# KiCad board TRS80_Model_I_Jap20_E1.kicad_pcb (continued)
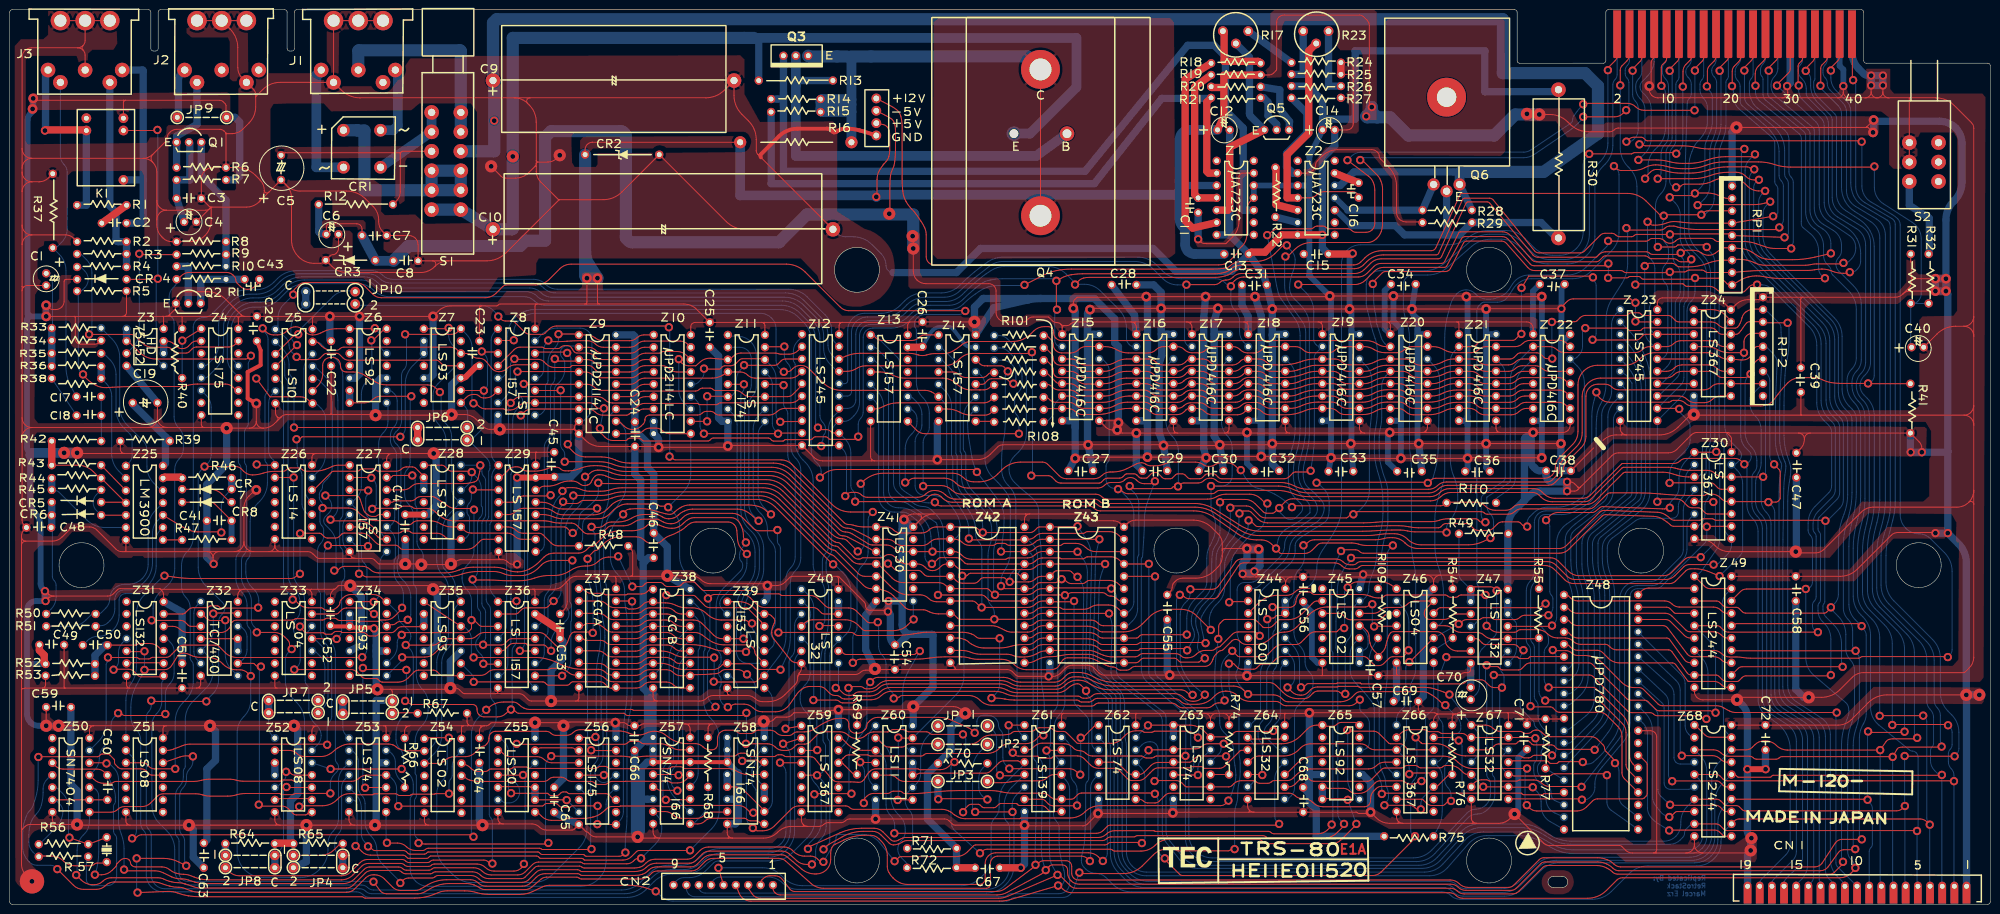
[diagram p0: board, top side]
## Routing (per net, layer and track width the routed paths; a pad name or vN(x,y) marks a point on that pad's centre or on a via; arc(x,y) is an arc through that point)
+5V: length 3094.8
  Top w0.2: 108.02,123.46 100.76,123.46 arc(100.6,123.43) 100.45,123.34 100.26,123.15 arc(100.19,123.1) 100.11,123.08 96.95,123.08 ; 108.02,123.46 108.38,123.46 ; 108.02,123.46 arc(108.09,123.42) 108.08,123.34 ; v3(13.84,92.86) 13.9,92.79 arc(13.97,92.75) 14.06,92.73 22.88,92.73 ; 35.21,120.92 33.02,120.92 ; 35.21,120.92 35.39,120.92 ; 35.21,120.92 arc(35.3,120.91) 35.37,120.86 ; 33.02,120.92 32,120.92 ; 33.02,120.92 arc(32.82,121.05) 32.87,121.28 ; 31.61,36.72 32.14,36.72 ; 31.61,36.72 17.25,36.72 ; 31.61,36.72 arc(31.71,36.65) 31.68,36.53 ; 32.14,36.72 v3(41.15,36.72) v3(58.42,36.72) 62.29,36.72 ; 32.14,36.72 arc(31.9,36.67) 31.68,36.53 ; C25.1 154.54,119.69 ; C25.1 141.13,122.39 arc(139.94,123.18) 138.54,123.46 121.21,123.46 ; C25.1 140.88,119.69 arc(140.52,119.62) 140.22,119.42 arc(140.02,119.12) 139.95,118.76 Z10.18 ; 154.54,119.69 155.08,119.69 ; 154.54,119.69 arc(154.79,119.64) 155,119.5 ; 66.74,64.79 66.61,64.79 ; 66.74,64.79 arc(66.68,64.78) 66.63,64.74 ; 66.74,64.79 arc(66.8,64.8) 66.84,64.83 67.5,65.49 arc(67.57,65.53) 67.65,65.55 v3(69.97,65.55) 85.69,65.55 arc(86.19,65.45) 86.61,65.17 v3(86.99,64.79) 107.51,64.79 ; 66.61,64.79 61.92,64.79 ; 66.61,64.79 arc(66.63,64.77) 66.63,64.74 ; 170.31,64.79 170.31,67.02 arc(170.27,67.19) 170.18,67.33 170.14,67.37 ; 322.23,85.84 321.59,86.48 arc(321.14,86.78) 320.61,86.89 v2(320.04,86.89) ; 322.23,85.84 arc(322.51,85.72) 322.8,85.84 ; 322.23,85.84 arc(322.35,85.55) 322.23,85.27 ; 7.89,63.89 7.41,64.36 arc(7.36,64.4) 7.3,64.41 v2(7.24,64.41) ; 7.89,63.89 arc(8.09,63.39) 7.89,62.9 ; 7.89,63.89 arc(8.43,63.52) 9.08,63.39 ; 121.21,123.46 120.85,123.46 ; 121.21,123.46 arc(121.04,123.5) 120.9,123.59 ; 9.08,63.39 20.11,63.39 arc(20.77,63.52) 21.33,63.9 22.1,64.66 arc(22.38,64.85) 22.71,64.92 30.77,64.92 ; 9.08,63.39 arc(8.43,63.26) 7.89,62.9 ; 263.46,67.33 C56.1 277.26,67.33 arc(277.59,67.4) 277.87,67.58 v2(278.13,67.84) 278.19,67.77 arc(278.26,67.73) 278.34,67.71 291.21,67.71 ; 263.46,67.33 261.04,67.33 ; 263.46,67.33 arc(262.58,66.98) 262.19,66.12 ; 390.78,129.37 390.78,131.88 arc(390.76,131.97) 390.71,132.04 arc(390.67,132.11) 390.65,132.19 R31.1 ; 390.78,129.37 390.78,127.97 ; 390.78,129.37 arc(390.98,128.87) 391.48,128.67 ; Z12.20 170.43,119.04 arc(170.48,119.28) 170.62,119.5 ; 249.17,73.1 249.17,72.74 ; 249.17,73.1 249.17,74.12 arc(248.95,75.24) 248.32,76.18 247.08,77.42 arc(245.32,78.6) 243.24,79.01 231.36,79.01 arc(230.45,78.83) 229.68,78.31 229.61,78.25 arc(228.98,77.99) 228.34,78.25 arc(227.64,78.72) 226.81,78.89 223.49,78.89 arc(222.58,79.07) 221.8,79.58 arc(221.03,80.1) 220.12,80.28 209.62,80.28 ; 249.17,73.1 arc(249.22,73.03) 249.3,73.04 ; 249.17,72.74 249.17,71.58 arc(248.93,70.35) 248.23,69.31 247.58,68.66 arc(245.83,67.49) 243.75,67.07 241.05,67.07 arc(240.22,66.91) 239.52,66.44 239.29,66.21 arc(238.99,65.76) 238.88,65.23 arc(238.78,64.71) 238.48,64.26 C55.1 ; 249.17,72.74 arc(249.21,72.9) 249.3,73.04 ; 144.38,37.1 154.07,37.1 arc(154.4,37.17) 154.68,37.36 v3(154.94,37.61) 156.14,37.61 arc(156.55,37.69) 156.91,37.93 157.35,38.37 arc(157.49,38.47) 157.66,38.5 159.64,38.5 arc(160.22,38.62) 160.72,38.94 161.12,39.34 arc(161.17,39.38) 161.22,39.39 167.66,39.39 arc(167.99,39.46) 168.27,39.64 arc(168.55,39.83) 168.89,39.9 170.09,39.9 arc(170.17,39.91) 170.24,39.96 v1(170.31,40.02) 174.26,40.02 ; 144.38,37.1 143.66,37.1 ; 144.38,37.1 arc(144.04,37.04) 143.76,36.85 ; Z8.16 107.95,123.03 arc(107.98,123.2) 108.08,123.34 ; 23.85,120.92 31.4,120.92 ; 23.85,120.92 23.13,120.92 ; 23.85,120.92 arc(23.71,121.01) 23.75,121.18 ; 31.4,120.92 31.58,120.92 ; 31.4,120.92 arc(31.49,120.91) 31.56,120.86 ; 143.51,34.31 143.51,36.24 arc(143.57,36.57) 143.76,36.85 ; 114.33,66.22 114.39,66.28 ; 114.33,66.22 113.63,65.52 arc(112.82,64.98) 111.87,64.79 107.87,64.79 ; 114.33,66.22 arc(114.36,66.23) 114.39,66.22 ; 114.39,66.28 115,66.88 arc(115.63,67.31) 116.38,67.46 124.15,67.46 ; 114.39,66.28 arc(114.38,66.25) 114.39,66.22 ; 169.92,67.46 160.8,67.46 arc(160.55,67.41) 160.34,67.27 159.38,66.31 arc(158.54,65.75) 157.54,65.55 v1(155.7,65.55) 155.51,65.74 arc(155.3,65.88) 155.05,65.93 144.04,65.93 arc(142.96,66.15) 142.05,66.76 arc(141.13,67.37) 140.05,67.58 v3(135.13,67.58) 135.06,67.52 arc(134.99,67.47) 134.91,67.46 127.94,67.46 ; 169.92,67.46 170.18,67.46 ; 169.92,67.46 arc(170.04,67.43) 170.14,67.37 ; v2(255.78,68.47) 255.78,68.41 arc(255.79,68.35) 255.82,68.3 256.28,67.84 ; 107.87,64.79 107.51,64.79 ; 107.87,64.79 arc(107.8,64.74) 107.82,64.66 ; 96.95,123.08 96.59,123.08 ; 96.95,123.08 arc(96.79,123.05) 96.64,122.95 ; 23.44,165.37 5.47,165.37 arc(5.23,165.42) 5.01,165.56 v1(4.82,165.75) ; 23.44,165.37 23.8,165.37 ; 23.44,165.37 arc(23.51,165.33) 23.49,165.25 ; Z42.24 208.53,79.2 arc(208.61,79.61) 208.85,79.97 ; 13.24,120.92 13.42,120.92 ; 13.24,120.92 v1(7.49,120.92) ; 13.24,120.92 arc(13.33,120.91) 13.4,120.86 ; 13.42,120.92 23.13,120.92 ; 13.42,120.92 arc(13.39,120.9) 13.4,120.86 ; 239.29,96.92 v1(231.52,96.92) 228.67,96.92 arc(228.25,97) 227.9,97.24 v1(227.58,97.56) 226.69,97.56 arc(225.87,97.72) 225.18,98.18 Z15.9 227.19,99.46 arc(227.43,99.41) 227.65,99.27 v1(227.84,99.08) ; 239.29,96.92 240.01,96.92 ; 239.29,96.92 arc(239.43,97.01) 239.39,97.17 ; Z30.16 353.82,95.76 arc(353.77,96.01) 353.63,96.22 352.94,96.91 ; 97.6,36.72 98.03,36.72 arc(98.28,36.77) 98.49,36.91 98.8,37.23 arc(98.94,37.32) 99.11,37.36 v3(107.95,37.36) 112.71,37.36 arc(113.12,37.27) 113.47,37.04 v3(113.79,36.72) 114.17,37.1 arc(114.59,37.38) 115.09,37.48 124.24,37.48 arc(124.32,37.47) 124.39,37.42 v1(124.46,37.36) 126.04,37.36 arc(126.46,37.27) 126.81,37.04 arc(127.16,36.8) 127.57,36.72 129.27,36.72 arc(129.52,36.77) 129.73,36.91 arc(129.94,37.05) 130.19,37.1 138.74,37.1 ; 97.6,36.72 96.7,36.72 ; 97.6,36.72 arc(97.19,36.64) 96.84,36.4 ; 262.22,39.26 266.86,39.26 arc(266.95,39.28) 267.02,39.33 v1(267.08,39.39) 289.6,39.39 ; 262.22,39.26 262.04,39.26 ; 262.22,39.26 arc(262.13,39.25) 262.06,39.2 ; 291.21,67.71 294,67.71 ; 291.21,67.71 arc(292.2,67.3) 292.61,66.31 ; Z21.9 305.43,97.91 arc(305.5,97.58) 305.69,97.3 ; 261.04,67.33 257.51,67.33 ; 261.04,67.33 arc(261.88,66.97) 262.19,66.12 ; 257.51,67.33 256.07,67.33 ; 257.51,67.33 arc(256.85,67.46) 256.28,67.84 ; 174.26,40.02 174.98,40.02 ; 174.26,40.02 arc(174.4,39.93) 174.37,39.77 ; 96.59,123.08 90.68,123.08 arc(89.27,122.8) 88.07,122 v1(86.99,120.92) v1(71.88,120.92) v1(65.78,120.92) 62.66,120.92 ; 96.59,123.08 arc(96.66,123.04) 96.64,122.95 ; 368.12,124.86 368.48,124.86 ; 368.12,124.86 360.66,124.86 arc(360.32,124.79) 360.04,124.61 arc(359.76,124.42) 359.43,124.35 357.16,124.35 arc(355.83,124.09) 354.71,123.34 Z24.16 352.49,123.53 arc(351.15,124.42) 349.57,124.73 339.66,124.73 arc(339.25,124.65) 338.9,124.42 arc(338.66,124.06) 338.58,123.65 Z23.20 ; 368.12,124.86 arc(368.19,124.81) 368.17,124.73 ; 368.48,124.86 387.47,124.86 arc(388.3,125.03) 389,125.5 389.06,125.56 ; 368.48,124.86 arc(368.31,124.83) 368.17,124.73 ; 108.29,92.98 C45.1 ; 108.29,92.98 108.11,92.98 ; 108.29,92.98 arc(108.21,92.97) 108.14,92.92 ; 370.01,96.92 R41.1 392.37,95.13 arc(392.79,94.51) 392.94,93.78 v2(392.94,92.98) ; 370.01,96.92 367.6,96.92 ; 370.01,96.92 arc(369.16,96.57) 368.81,95.71 ; 108.11,92.98 87.55,92.98 arc(87.39,92.95) 87.25,92.86 v3(87.12,92.73) 78.55,92.73 ; 108.11,92.98 arc(108.15,92.96) 108.14,92.92 ; 247.97,39.26 249.36,39.26 ; 247.97,39.26 245.55,39.26 ; 247.97,39.26 arc(247.11,38.91) 246.76,38.06 ; 249.36,39.26 251.78,39.26 ; 249.36,39.26 arc(250.22,38.91) 250.57,38.06 ; 124.15,67.46 124.51,67.46 ; 124.15,67.46 arc(124.32,67.42) 124.46,67.33 ; 352.94,96.91 arc(352.79,97.01) 352.61,97.05 ; 352.94,96.91 arc(352.92,97) 352.99,97.05 ; 231.61,39.26 245.55,39.26 ; 231.61,39.26 231.43,39.26 ; 231.61,39.26 arc(231.53,39.25) 231.46,39.2 ; 245.55,39.26 arc(246.41,38.91) 246.76,38.06 ; 61.02,64.79 48.16,64.79 ; 61.02,64.79 61.92,64.79 ; 61.02,64.79 arc(61.43,64.71) 61.78,64.47 ; 48.16,64.79 47.08,64.79 ; 48.16,64.79 arc(47.66,64.69) 47.24,64.41 ; v1(118.62,128.8) 118.62,123.9 arc(118.58,123.73) 118.49,123.59 ; 352.99,97.05 353.1,97.05 arc(353.18,97.03) 353.25,96.98 arc(353.32,96.94) 353.4,96.92 367.6,96.92 ; 352.99,97.05 352.61,97.05 ; 367.6,96.92 arc(368.45,96.57) 368.81,95.71 ; 94.85,36.72 94.13,36.72 ; 94.85,36.72 96.7,36.72 ; 94.85,36.72 arc(94.51,36.79) 94.23,36.98 ; 94.13,36.72 93.27,36.72 ; 94.13,36.72 arc(94.26,36.81) 94.23,36.98 ; Z3.8 31.62,120.71 arc(31.6,120.79) 31.56,120.86 ; 186.72,80.28 189.96,80.28 ; 186.72,80.28 185.72,80.28 arc(184.97,80.13) 184.34,79.71 v1(183.77,79.14) ; 186.72,80.28 arc(187.34,79.87) 187.19,79.14 ; 189.96,80.28 208.72,80.28 ; 189.96,80.28 arc(188.46,79.99) 187.19,79.14 ; Z51.14 31.49,36.07 arc(31.54,36.32) 31.68,36.53 ; 322.8,85.84 329.25,92.28 arc(329.88,92.71) 330.63,92.86 340.89,92.86 arc(341.81,93.04) 342.58,93.55 345.58,96.55 arc(346.13,96.92) 346.77,97.05 352.61,97.05 ; 322.8,85.84 322.23,85.27 ; 257.14,170.58 258.79,170.58 arc(259.29,170.68) 259.71,170.96 260.22,171.47 arc(260.31,171.61) 260.35,171.78 260.35,181.38 arc(260.46,181.96) 260.79,182.45 arc(261.28,182.78) 261.87,182.9 277.42,182.9 arc(277.84,182.82) 278.19,182.58 278.95,181.82 arc(279.28,181.33) 279.4,180.75 279.4,164.84 arc(279.46,164.51) 279.65,164.23 v2(279.91,163.98) ; v3(10.03,36.72) 16.53,36.72 ; 16.53,36.72 17.25,36.72 ; 16.53,36.72 arc(16.67,36.63) 16.64,36.47 ; Z20.9 291.34,98.13 arc(291.25,97.72) 291.02,97.36 ; 47.56,121.24 44.39,124.41 arc(42.63,125.59) 40.54,126 35.9,126 arc(35.23,125.87) 34.67,125.5 34.65,125.48 arc(34.29,124.93) 34.16,124.29 34.16,123.08 arc(34.07,122.61) 33.8,122.21 32.87,121.28 ; 47.56,121.24 arc(47.6,121.04) 47.43,120.92 ; 47.56,121.24 arc(47.91,121) 48.32,120.92 ; C53.1 113.83,60.47 arc(114.36,61.27) 114.55,62.22 114.55,65.92 arc(114.53,66.05) 114.46,66.15 114.39,66.22 ; C69.1 289.46,40.2 arc(289.53,39.89) 289.7,39.63 ; 63.19,36.72 76.91,36.72 ; 63.19,36.72 62.29,36.72 ; 63.19,36.72 arc(62.77,36.64) 62.42,36.4 ; 76.91,36.72 77.27,36.72 ; 76.91,36.72 arc(77.07,36.69) 77.21,36.59 ; v1(120.78,128.8) 120.78,123.9 arc(120.81,123.73) 120.9,123.59 ; R5.2 24,121.79 arc(23.93,121.46) 23.75,121.18 ; R16.2 119.75,156.74 arc(119.17,156.62) 118.68,156.29 arc(118.35,155.8) 118.23,155.22 CR2.1 ; 23.8,165.37 43.11,165.37 arc(43.52,165.29) 43.88,165.06 44.32,164.61 arc(44.41,164.47) 44.45,164.3 44.45,161.82 ; 23.8,165.37 arc(23.63,165.34) 23.49,165.25 ; 322.23,85.27 arc(321.91,85.06) 321.54,84.98 v2(320.04,84.98) ; 305.58,97.05 291.15,97.05 ; 305.58,97.05 306.3,97.05 ; 305.58,97.05 arc(305.72,97.14) 305.69,97.3 ; 291.15,97.05 290.25,97.05 ; 291.15,97.05 arc(290.98,97.16) 291.02,97.36 ; 139.64,37.1 138.74,37.1 ; 139.64,37.1 143.66,37.1 ; 139.64,37.1 arc(139.47,36.99) 139.51,36.79 ; 138.74,37.1 arc(139.16,37.02) 139.51,36.79 ; R67.2 93.98,37.59 arc(94.04,37.26) 94.23,36.98 ; 296.53,39.13 297.07,39.13 ; 296.53,39.13 293.43,39.13 ; 296.53,39.13 arc(296.63,39.07) 296.61,38.94 ; 297.07,39.13 297.25,39.13 arc(297.42,39.17) 297.56,39.26 arc(297.7,39.36) 297.87,39.39 307.76,39.39 ; 297.07,39.13 arc(296.82,39.09) 296.61,38.94 ; 290.25,97.05 v1(283.59,97.05) 283.53,96.98 arc(283.46,96.94) 283.37,96.92 278.45,96.92 ; 290.25,97.05 arc(290.67,97.13) 291.02,97.36 ; 32,120.92 31.58,120.92 ; 32,120.92 arc(32.47,121.02) 32.87,121.28 ; 31.58,120.92 arc(31.55,120.9) 31.56,120.86 ; 296.11,67.71 296.47,67.71 ; 296.11,67.71 294,67.71 ; 296.11,67.71 arc(296.28,67.68) 296.42,67.58 ; 296.47,67.71 313.5,67.71 arc(313.79,67.65) 314.04,67.49 arc(314.2,67.24) 314.26,66.95 R55.1 ; 296.47,67.71 arc(296.4,67.66) 296.42,67.58 ; Z52.14 62.1,35.64 arc(62.18,36.05) 62.42,36.4 ; 30.77,64.92 arc(30.85,64.9) 30.92,64.85 ; 30.77,64.92 arc(30.85,64.9) 30.92,64.85 ; 170.18,67.46 arc(170.13,67.42) 170.14,67.37 ; 170.18,67.46 arc(170.3,67.43) 170.39,67.37 175.58,62.18 arc(175.81,61.83) 175.89,61.42 175.89,61.34 arc(175.96,61.01) 176.15,60.72 arc(176.43,60.54) 176.76,60.47 180.03,60.47 arc(180.2,60.44) 180.34,60.34 v2(180.47,60.22) ; Z53.14 77.34,36.29 arc(77.31,36.45) 77.21,36.59 ; 92.91,36.72 93.27,36.72 ; 92.91,36.72 82.24,36.72 ; 92.91,36.72 arc(92.98,36.68) 92.96,36.59 ; 93.27,36.72 arc(93.1,36.69) 92.96,36.59 ; 293.43,39.13 293.3,39.13 ; 293.43,39.13 arc(293.37,39.12) 293.32,39.09 ; 293.3,39.13 arc(293.25,39.15) 293.2,39.18 293.11,39.26 arc(292.97,39.36) 292.81,39.39 290.27,39.39 ; 293.3,39.13 arc(293.33,39.12) 293.32,39.09 ; Z17.9 250.57,97.79 arc(250.5,97.46) 250.31,97.17 ; v3(198.25,119.78) C26.1 184.98,119.78 ; 118.18,123.46 118.54,123.46 ; 118.18,123.46 108.38,123.46 ; 118.18,123.46 arc(118.35,123.5) 118.49,123.59 ; 118.54,123.46 120.85,123.46 ; 118.54,123.46 arc(118.47,123.51) 118.49,123.59 ; 278.45,96.92 277.55,96.92 ; 278.45,96.92 arc(278.04,97) 277.68,97.24 ; 82.24,36.72 81.34,36.72 ; 82.24,36.72 arc(81.82,36.64) 81.47,36.4 ; C39.1 368.08,120.61 arc(368.08,120.63) 368.06,120.65 arc(368.05,120.67) 368.04,120.69 368.04,124.43 arc(368.08,124.59) 368.17,124.73 ; 62.3,120.92 62.66,120.92 ; 62.3,120.92 C20.1 48.32,120.92 ; 62.3,120.92 arc(62.37,120.88) 62.35,120.8 ; 62.66,120.92 arc(62.5,120.89) 62.35,120.8 ; 170.54,119.69 171.08,119.69 ; 170.54,119.69 155.08,119.69 ; 170.54,119.69 arc(170.65,119.62) 170.62,119.5 ; 171.08,119.69 184.75,119.69 arc(184.81,119.7) 184.86,119.73 ; 171.08,119.69 arc(170.83,119.64) 170.62,119.5 ; 61.92,64.79 arc(61.74,64.67) 61.78,64.47 ; 66.63,64.74 66.29,64.41 arc(66.01,63.99) 65.91,63.49 C52.1 ; 62.97,92.73 77.65,92.73 ; 62.97,92.73 62.25,92.73 ; 62.97,92.73 arc(62.64,92.66) 62.35,92.47 ; 77.65,92.73 78.55,92.73 ; 77.65,92.73 arc(77.83,92.61) 77.79,92.41 ; 209.62,80.28 208.72,80.28 ; 209.62,80.28 arc(209.2,80.2) 208.85,79.97 ; 23.6,92.73 22.88,92.73 ; 23.6,92.73 62.25,92.73 ; 23.6,92.73 arc(23.27,92.8) 22.98,92.98 ; 22.88,92.73 arc(23.02,92.82) 22.98,92.98 ; C64.1 96.52,35.64 arc(96.6,36.05) 96.84,36.4 ; v2(178.08,145.51) 178.15,145.59 arc(178.21,145.67) 178.23,145.77 178.23,149.09 arc(178.4,150.21) 178.89,151.23 179.5,152.12 arc(179.55,152.19) 179.61,152.25 arc(179.68,152.32) 179.74,152.38 180.07,152.75 arc(180.41,153.21) 180.63,153.74 180.66,153.82 arc(180.8,154.46) 180.85,155.11 180.85,158.12 arc(180.81,158.64) 180.71,159.14 180.69,159.21 arc(180.53,159.62) 180.26,159.96 arc(179.91,160.22) 179.51,160.37 TP1.3 ; Z31.14 31.62,63.62 arc(31.52,64.11) 31.24,64.53 30.92,64.85 ; 307.97,36.85 307.97,39.17 arc(307.96,39.26) 307.91,39.33 ; 391.48,128.67 v1(395.73,128.67) ; 391.48,128.67 arc(390.98,128.47) 390.78,127.97 ; 124.51,67.46 127.58,67.46 ; 124.51,67.46 arc(124.44,67.41) 124.46,67.33 ; R40.1 35.43,120.71 arc(35.41,120.79) 35.37,120.86 ; 306.3,97.05 v1(313.05,97.05) 319.16,97.05 arc(319.74,97.16) 320.23,97.49 arc(320.56,97.98) 320.67,98.56 Z22.9 ; 306.3,97.05 arc(305.97,97.11) 305.69,97.3 ; 294,67.71 arc(293.02,67.3) 292.61,66.31 ; 107.51,64.79 arc(107.68,64.76) 107.82,64.66 ; 48.32,120.92 47.43,120.92 ; v3(311.78,162.58) 314.11,162.58 arc(314.19,162.56) 314.26,162.52 v3(314.32,162.45) 316.48,162.45 arc(318.48,162.06) 320.17,160.93 320.6,160.49 arc(322.37,159.31) 324.45,158.9 328.77,158.9 arc(329.27,159) 329.69,159.28 arc(330.11,159.56) 330.61,159.66 354.62,159.66 arc(354.7,159.67) 354.77,159.72 v3(354.84,159.78) 381.46,159.78 arc(381.5,159.79) 381.54,159.82 ; 246.76,38.06 246.76,36.85 ; Z29.16 108.08,92.77 arc(108.09,92.85) 108.14,92.92 ; 23.13,120.92 arc(23.47,120.99) 23.75,121.18 ; 389.06,125.56 390.21,126.7 ; 389.06,125.56 arc(389.7,125.98) 390.44,126.13 ; 250.42,96.92 254.04,96.92 arc(254.12,96.94) 254.19,96.98 v1(254.25,97.05) 254.32,96.98 arc(254.39,96.94) 254.47,96.92 262.27,96.92 ; 250.42,96.92 249.7,96.92 ; 250.42,96.92 arc(250.28,97.01) 250.31,97.17 ; 262.19,66.12 Z44.14 ; 47.43,120.92 46.54,120.92 ; 47.43,120.92 arc(47.12,120.79) 46.99,120.48 ; Z11.16 155.19,119.04 arc(155.14,119.28) 155,119.5 ; v2(7.36,62.38) 7.89,62.9 ; C71.1 311.78,37.9 arc(311.8,37.99) 311.85,38.06 ; 62.25,92.73 arc(62.39,92.64) 62.35,92.47 ; v2(395.73,76.35) 395.67,76.41 arc(395.6,76.46) 395.51,76.47 388.05,76.47 arc(387.28,76.32) 386.64,75.89 381.12,70.38 379.66,68.92 arc(378.05,67.84) 376.14,67.46 C58.1 Z49.20 ; 256.28,67.84 arc(256.35,67.51) 256.07,67.33 ; 231.39,36.85 231.39,39.05 arc(231.41,39.13) 231.46,39.2 ; C47.1 367.98,93.68 arc(368.59,94.6) 368.81,95.67 368.81,95.71 ; 96.52,115.84 96.52,122.65 arc(96.55,122.81) 96.64,122.95 ; 307.76,39.39 307.94,39.39 ; 307.76,39.39 arc(307.84,39.37) 307.91,39.33 ; 307.94,39.39 308.98,39.39 arc(309.81,39.22) 310.51,38.75 310.88,38.39 arc(311.18,38.19) 311.53,38.12 311.82,38.12 ; 307.94,39.39 arc(307.9,39.37) 307.91,39.33 ; 381.61,159.85 381.7,159.85 arc(381.81,159.83) 381.91,159.76 v1(382.9,158.77) ; 381.61,159.85 arc(381.6,159.86) 381.6,159.88 ; 381.61,159.85 arc(381.57,159.84) 381.54,159.82 ; 96.7,36.72 arc(96.88,36.61) 96.84,36.4 ; 390.78,127.97 arc(390.65,127.33) 390.28,126.78 390.21,126.7 ; 187.19,79.14 Z41.14 ; 208.72,80.28 arc(208.89,80.17) 208.85,79.97 ; Z27.16 77.47,91.64 arc(77.55,92.06) 77.79,92.41 ; Z48.11 319.34,38.18 arc(319.27,38.14) 319.19,38.12 R77.1 312,38.12 ; Z13.16 184.53,119.13 arc(184.58,119.38) 184.72,119.59 184.86,119.73 ; Z16.9 239.14,97.79 arc(239.21,97.46) 239.39,97.17 ; 127.58,67.46 127.94,67.46 ; 127.58,67.46 arc(127.75,67.49) 127.89,67.58 ; 127.94,67.46 arc(127.87,67.5) 127.89,67.58 ; R48.1 127.57,73.23 arc(127.9,72.74) 128.01,72.16 128.01,67.89 arc(127.98,67.72) 127.89,67.58 ; 292.61,66.31 Z46.14 ; 108.38,123.46 arc(108.22,123.43) 108.08,123.34 ; Z33.14 62.1,63.7 arc(62.02,64.12) 61.78,64.47 ; Z18.9 262.13,97.79 arc(262.19,97.46) 262.38,97.17 ; 46.54,120.92 35.39,120.92 ; 46.54,120.92 arc(46.86,120.79) 46.99,120.48 ; 35.39,120.92 arc(35.36,120.9) 35.37,120.86 ; Z61.16 216.15,38.83 arc(216.19,38.99) 216.28,39.13 ; 290.27,39.39 289.6,39.39 ; 290.27,39.39 arc(289.96,39.45) 289.7,39.63 ; 120.85,123.46 arc(120.92,123.51) 120.9,123.59 ; Z50.14 16.38,35.85 arc(16.45,36.19) 16.64,36.47 ; Z19.9 277.37,98 arc(277.45,97.59) 277.68,97.24 ; 155.08,119.69 arc(154.98,119.62) 155,119.5 ; 289.6,39.39 arc(289.73,39.47) 289.7,39.63 ; v2(253.36,67.96) 253.68,67.65 arc(254.03,67.41) 254.45,67.33 256.07,67.33 ; 47.08,64.79 31.08,64.79 arc(30.99,64.81) 30.92,64.85 ; 47.08,64.79 arc(47.29,64.65) 47.24,64.41 ; 381.54,159.82 381.6,159.88 ; 381.6,159.88 v1(383.03,161.31) ; 277.55,96.92 262.99,96.92 ; 277.55,96.92 arc(277.72,97.03) 277.68,97.24 ; 78.55,92.73 arc(78.14,92.65) 77.79,92.41 ; 81.34,36.72 77.27,36.72 ; 81.34,36.72 arc(81.51,36.61) 81.47,36.4 ; 311.82,38.12 312,38.12 ; 311.82,38.12 arc(311.85,38.1) 311.85,38.06 ; 312,38.12 arc(311.92,38.1) 311.85,38.06 ; 240.01,96.92 249.7,96.92 ; 240.01,96.92 arc(239.67,96.99) 239.39,97.17 ; v1(7.49,123.21) 7.94,122.76 arc(8.43,122.44) 9.01,122.32 9.44,122.32 arc(10.1,122.45) 10.67,122.83 arc(11.04,123.39) 11.17,124.05 11.17,128.11 arc(11.21,128.28) 11.3,128.42 arc(11.44,128.51) 11.61,128.54 CR4.1 ; Z32.14 46.86,63.49 arc(46.96,63.99) 47.24,64.41 ; R39.2 22.73,93.6 arc(22.8,93.26) 22.98,92.98 ; 293.32,39.09 292.99,38.75 arc(292.71,38.33) 292.61,37.83 Z66.16 ; 353.82,36.85 C72.1 375.7,36.85 arc(377.19,37.15) 378.46,37.99 381.94,41.48 arc(383.71,42.66) 385.79,43.07 v3(402.08,43.07) ; R66.2 81.15,35.64 arc(81.23,36.05) 81.47,36.4 ; 296.54,64.92 296.54,67.28 arc(296.51,67.44) 296.42,67.58 ; 107.95,62.25 107.95,64.36 arc(107.91,64.52) 107.82,64.66 ; v3(7.49,36.72) C59.1 ; 17.25,36.72 arc(16.92,36.66) 16.64,36.47 ; 262.99,96.92 262.27,96.92 ; 262.99,96.92 arc(262.66,96.99) 262.38,97.17 ; 262.27,96.92 arc(262.41,97.01) 262.38,97.17 ; v1(395.73,126.13) 390.44,126.13 ; 390.44,126.13 arc(390.13,126.34) 390.21,126.7 ; 296.42,36.85 296.42,38.48 arc(296.47,38.73) 296.61,38.94 ; 251.78,39.26 262.04,39.26 ; 251.78,39.26 arc(250.92,38.91) 250.57,38.06 ; 62.29,36.72 arc(62.46,36.61) 62.42,36.4 ; 231.43,39.26 216.59,39.26 ; 231.43,39.26 arc(231.46,39.24) 231.46,39.2 ; 143.66,37.1 arc(143.79,37.01) 143.76,36.85 ; 262.04,39.26 arc(262.07,39.24) 262.06,39.2 ; 77.27,36.72 arc(77.2,36.68) 77.21,36.59 ; K1.1 23.37,164.94 arc(23.4,165.11) 23.49,165.25 ; 250.57,38.06 250.57,36.85 ; v1(254.25,73.17) 249.61,73.17 arc(249.44,73.14) 249.3,73.04 ; 216.23,39.26 v3(196.34,39.26) 195.64,39.96 arc(194.87,40.48) 193.96,40.66 v3(185.67,40.66) 185.35,40.34 arc(185,40.11) 184.59,40.02 174.98,40.02 ; 216.23,39.26 216.59,39.26 ; 216.23,39.26 arc(216.3,39.22) 216.28,39.13 ; 124.58,64.92 124.58,67.02 arc(124.55,67.19) 124.46,67.33 ; 249.7,96.92 arc(250.03,96.99) 250.31,97.17 ; 262,36.85 262,39.05 arc(262.02,39.13) 262.06,39.2 ; Z54.14 92.83,36.29 arc(92.87,36.45) 92.96,36.59 ; 174.98,40.02 arc(174.65,39.96) 174.37,39.77 ; 216.59,39.26 arc(216.42,39.23) 216.28,39.13 ; 184.98,119.78 arc(184.92,119.77) 184.86,119.73 ; 184.98,119.78 arc(184.92,119.77) 184.86,119.73 ; 139.82,34.31 139.82,36.02 arc(139.74,36.43) 139.51,36.79 ; Z26.14 62.1,91.86 arc(62.17,92.19) 62.35,92.47 ; Z5.14 62.23,120.49 arc(62.26,120.66) 62.35,120.8 ; 46.99,120.48 Z4.16 ; 174.12,36.85 174.12,39.16 arc(174.18,39.49) 174.37,39.77 ; R34.2 18.41,115.59 arc(17.99,115.31) 17.49,115.21 14.54,115.21 arc(14.13,115.29) 13.78,115.53 arc(13.54,115.88) 13.46,116.29 13.46,120.71 arc(13.44,120.79) 13.4,120.86
  Top w1.2: C44.1 85.09,80.16 arc(85.09,80.16) Z28.5
  Top w1.5: R19.1 249.5,170.5 249.5,168 ; R65.2 58.24,12.52 arc(58.18,12.55) 58.12,12.57 54.65,12.57 arc(54.59,12.55) 54.53,12.52 R64.1 ; R52.2 7.08,49.7 7.08,51.25 6.09,52.24 C49.1 ; 249.5,168 249.5,162 C12.1 ; 249.5,168 247.05,168 R20.2 ; R72.2 C67.1 ; 256.83,170.71 arc(256.91,170.69) 256.98,170.64 arc(257.05,170.6) 257.14,170.58
  Bottom w1.2: v1(7.49,123.21) v1(7.49,120.92) 4.11,120.92 ; v3(10.03,36.72) v3(7.49,36.72) 5.94,36.72 arc(5.03,36.9) 4.25,37.42 arc(3.74,38.19) 3.55,39.11 3.55,49.46 ; 4.11,120.92 arc(3.95,120.89) 3.81,120.8 ; 4.11,120.92 arc(3.95,120.96) 3.81,121.05 ; 3.55,49.46 3.55,49.64 ; 3.55,49.46 arc(3.58,49.49) 3.62,49.49 ; 3.55,49.64 3.55,60.47 arc(4.11,61.82) 5.46,62.38 v2(7.36,62.38) 7.3,62.44 arc(7.25,62.51) 7.24,62.59 v2(7.24,64.41) 6.79,64.85 arc(6.46,65.34) 6.35,65.93 6.35,77.74 arc(6.07,79.15) 5.27,80.35 arc(4.47,81.54) 4.19,82.95 4.19,92.41 arc(4.11,92.82) 3.87,93.17 ; 3.55,49.64 arc(3.57,49.56) 3.62,49.49 ; v1(4.82,165.75) 4.82,163.81 arc(4.81,163.73) 4.76,163.66 v1(4.7,163.59) 4.7,163.34 arc(4.65,163.11) 4.52,162.91 4.19,162.58 arc(3.81,162.02) 3.68,161.35 3.68,121.36 arc(3.71,121.19) 3.81,121.05 ; v1(283.59,97.05) 283.4,96.86 arc(283.26,96.65) 283.21,96.4 283.21,90.95 C35.1 ; C32.1 254.25,90.7 v1(254.25,97.05) ; R52.2 3.77,49.42 arc(3.69,49.44) 3.62,49.49 ; 3.81,120.8 3.74,120.73 arc(3.6,120.52) 3.55,120.27 3.55,93.94 arc(3.64,93.53) 3.87,93.17 ; 3.81,120.8 arc(3.86,120.92) 3.81,121.05 ; 3.87,93.17 arc(4.22,92.94) 4.64,92.86
  Bottom w1.5: v3(107.95,37.36) Z55.14 ; 267.08,26.5 267.27,26.69 269.75,26.69 ; 267.08,26.5 267.08,25 ; 267.08,26.5 v1(267.08,39.39) ; 185.16,55.52 185.1,55.52 arc(184.57,55.62) 184.12,55.92 183.96,56.09 arc(183.53,56.72) 183.39,57.47 183.39,61.94 ; 185.16,55.52 189.52,55.52 arc(189.6,55.5) 189.67,55.45 arc(189.72,55.38) 189.74,55.3 189.74,44.72 v3(185.67,40.66) 185.67,36.94 arc(185.66,36.86) 185.61,36.79 185.54,36.72 ; 185.16,55.52 arc(184.69,55.42) 184.3,55.16 182.71,53.57 arc(182.47,53.41) 182.2,53.36 arc(181.92,53.41) 181.69,53.57 181.44,53.82 arc(181.09,54.33) 180.97,54.94 180.97,59.35 arc(180.91,59.68) 180.72,59.96 v2(180.47,60.22) 180.53,60.28 arc(180.58,60.35) 180.59,60.43 v2(180.59,62.38) 182.95,62.38 arc(183.12,62.34) 183.26,62.25 ; v1(231.52,96.92) 231.52,90.44 arc(231.52,90.44) 231.52,90.44 232.79,89.17 ; Z6.5 71.05,108.22 71.88,109.05 v1(71.88,120.92) ; v2(398.27,76.35) v2(395.73,76.35) ; v2(398.27,76.35) 398.27,93.02 ; v2(398.27,76.35) 400.49,74.13 arc(401.67,72.36) 402.08,70.28 v3(402.08,43.07) ; C65.1 113.79,25.93 v3(113.79,36.72) ; 267.08,25 266.1,24.02 C68.1 266.83,23 267.08,23 ; 267.08,25 267.08,23 ; 267.08,23 267.08,20.92 268.5,19.5 268.5,14 268.51,13.99 R75.1 ; v1(155.7,65.55) 155.7,63.33 arc(155.62,62.92) 155.38,62.57 155.06,62.25 ; 183.39,61.94 183.39,62.3 ; 183.39,61.94 arc(183.35,62.11) 183.26,62.25 ; 183.39,62.3 183.39,74.58 ; 183.39,62.3 arc(183.34,62.23) 183.26,62.25 ; Z28.5 85.82,80.16 87.63,81.97 87.63,92.04 arc(87.59,92.21) 87.5,92.35 v3(87.12,92.73) ; v3(402.08,43.07) 402.1,43.05 arc(402.12,43.03) 402.12,43 CN1.1 ; v3(402.08,43.07) v3(404.75,43.07) ; 124.58,34.18 124.58,37.14 arc(124.57,37.22) 124.52,37.29 v1(124.46,37.36) ; 398.27,93.02 398.27,93.2 ; 398.27,93.02 arc(398.25,93.05) 398.21,93.05 ; R7.1 46.43,148.99 arc(46.48,149) 46.52,149.03 47.24,149.75 47.24,160.93 46.31,161.86 44.45,161.86 ; Z31.14 35.43,60.09 C51.1 ; Z1.3 241.36,147.85 arc(240.69,147.57) 240.41,146.89 ; 155.06,34.31 155.06,37.39 arc(155.05,37.48) 155,37.55 v3(154.94,37.61) ; v3(69.97,65.55) 72.26,63.26 72.26,53.3 Z34.5 ; 183.39,77.1 183.39,78.49 arc(183.44,78.74) 183.58,78.95 v1(183.77,79.14) 185.16,77.75 arc(185.31,77.65) 185.48,77.62 185.42,77.62 arc(185.18,77.57) 184.98,77.44 184.27,76.73 ; 183.39,77.1 183.39,74.58 ; 183.39,77.1 arc(183.71,76.61) 184.27,76.73 ; R72.2 194.56,11.46 arc(194.57,11.48) 194.58,11.5 arc(194.58,11.51) 194.58,11.53 188.63,17.48 arc(188.6,17.52) 188.59,17.56 188.59,26.82 R70.2 193.42,31.64 193.42,36.34 v3(196.34,39.26) ; v1(382.9,158.77) 382.97,158.83 arc(383.01,158.9) 383.03,158.99 v1(383.03,161.31) 383.16,161.18 arc(383.3,161.09) 383.46,161.06 396.64,161.06 arc(398.38,160.71) 399.86,159.72 arc(400.84,158.24) 401.19,156.5 401.19,148.58 arc(400.78,146.49) 399.6,144.73 399.48,144.61 arc(398.3,142.85) 397.89,140.77 v1(397.89,128.67) ; v1(397.89,128.67) v1(397.89,126.13) ; v1(397.89,128.67) v1(395.73,128.67) v1(395.73,126.13) v1(397.89,126.13) ; v1(397.89,126.13) 398.08,125.94 arc(398.22,125.73) 398.27,125.48 398.27,93.2 ; v3(41.15,36.72) 42.29,35.58 42.29,29.61 40.51,27.83 40.51,13.23 C63.1 ; 57.91,12.85 R65.2 57.68,13.07 57.68,21.26 59.18,22.75 59.18,35.96 v3(58.42,36.72) ; 209.29,124.32 202.25,122.72 arc(202.19,122.69) 202.14,122.64 Z14.16 198.5,119.35 arc(198.47,119.51) 198.37,119.65 v3(198.25,119.78) 198.25,122.83 199.89,124.47 199.98,124.56 arc(200.03,124.59) 200.09,124.61 200.21,124.61 209.26,124.61 ; 209.29,124.32 arc(210.57,124.53) 211.87,124.61 ; 209.29,124.32 arc(209.41,124.48) 209.26,124.61 ; 183.39,74.58 arc(183.62,75.74) 184.27,76.73 ; v3(86.99,64.79) 87.44,64.34 arc(87.77,63.85) 87.88,63.27 87.88,53.68 86.29,52.09 Z35.5 ; 209.26,124.61 211.87,124.61 ; Z38.18 v3(135.13,67.58) 135.13,73.55 C46.1 132.33,88.54 131.06,89.81 131.06,94.89 128.47,97.48 C24.1 128.47,116.79 128.14,117.11 124.58,117.11 ; 66.04,115.84 65.85,116.03 arc(65.8,116.1) 65.78,116.19 v1(65.78,120.92) ; C69.1 290.5,42.77 290.5,63.03 292.39,64.92 Z46.14 ; 398.27,93.2 arc(398.25,93.12) 398.21,93.05 ; 311.24,83.05 309.23,81.03 arc(308.3,79.64) 307.97,78 307.97,76.31 arc(307.96,76.23) 307.91,76.16 arc(307.86,76.09) 307.85,76 307.85,64.79 ; 311.24,83.05 312.2,84 arc(313.29,84.73) 314.57,84.98 v2(320.04,84.98) v2(320.04,86.89) 317.02,86.89 arc(316.52,86.99) 316.1,87.27 arc(315.82,87.69) 315.72,88.19 C38.1 314.39,89.17 arc(313.98,89.25) 313.63,89.49 312.99,90.13 arc(312.75,90.48) 312.67,90.89 312.67,96.4 arc(312.72,96.65) 312.86,96.86 v1(313.05,97.05) 312.48,96.47 arc(312.13,96.24) 311.72,96.16 arc(311.41,96.03) 311.27,95.71 311.27,83.12 arc(311.27,83.08) 311.24,83.05 ; Z7.5 86.29,108.22 86.99,108.93 v1(86.99,120.92) 87.06,120.86 arc(87.1,120.79) 87.12,120.71 ; v1(227.58,97.56) 227.58,98.65 arc(227.62,98.81) 227.71,98.95 v1(227.84,99.08) 227.84,114.7 227.07,115.46 227.07,120.42 222.88,124.61 211.87,124.61 ; v2(278.13,67.84) Z45.14 ; R41.1 390.59,93.09 arc(390.59,93.05) 390.62,93.01 v2(390.65,92.98) v2(392.94,92.98) 398.05,92.98 arc(398.14,93) 398.21,93.05 ; RP1.1 353.95,158.9 v3(354.84,159.78) ; v1(170.31,40.02) Z59.16 ; v1(256.66,73.04) 254.47,73.04 arc(254.39,73.06) 254.32,73.11 v1(254.25,73.17) 254.25,71.01 253.36,70.12 v2(253.36,67.96) 254.91,67.96 arc(255.24,68.03) 255.52,68.22 v2(255.78,68.47) 256.92,69.62 256.92,72.61 arc(256.89,72.78) 256.79,72.92 v1(256.66,73.04)
  Bottom w2: R16.2 150.11,145.81 177.56,145.81 arc(177.76,145.78) 177.93,145.66 v2(178.08,145.51) 178.29,145.73 arc(178.53,145.89) 178.81,145.94 239.46,145.94 ; 240.41,148.8 240.41,146.89 ; 240.41,148.8 240.41,157.28 arc(240.99,158.69) 242.41,159.28 C12.1 ; 240.41,148.8 arc(240.69,148.13) 241.36,147.85 ; 240.41,146.89 240.41,144.99 ; 240.41,146.89 arc(240.13,146.22) 239.46,145.94 ; v3(13.84,92.86) v3(11.17,92.86) 4.64,92.86 arc(4.32,92.72) 4.19,92.41 ; 240.41,144.99 240.41,140.91 arc(240.56,140.16) 240.98,139.53 arc(241.4,138.9) 241.55,138.15 241.55,135.7 arc(241.7,134.95) 242.12,134.32 arc(242.76,133.9) 243.5,133.75 C13.1 ; 240.41,144.99 arc(240.13,145.66) 239.46,145.94
  Bottom w2.5: v3(314.32,162.45) 312.75,162.45 309.37,162.45 305.05,158.13 287.4,158.13 283.66,161.87 281,161.87 ; 118.23,131.23 118.23,134.24 ; 118.23,131.23 118.23,129.45 arc(118.28,129.2) 118.43,128.99 v1(118.62,128.8) v1(120.78,128.8) 119.05,131.47 ; 118.23,131.23 arc(118.55,131.66) 119.05,131.47 ; 118.23,134.24 CR2.1 ; 118.23,134.24 arc(118.44,132.8) 119.05,131.47 ; 281,161.87 279.91,162.96 v2(279.91,163.98) 279.91,163.21 v2(278.76,162.07) 278.97,161.87 281,161.87
